# Altium PCB Einsy_Rambo.PcbDoc (part 3 of 4)
Units mil, origin at the board's own origin, x right, y up, seen from the top; angles counter-clockwise.
Board outline 5506.78 x 2795 mil, 6 copper layers (Top, GND, Signal Layer 1, Supply, Signal Layer 2, Bottom), stack 61.838 mil thick; 339 components, 226 nets, 1200 pads, 793 vias.
Unrouted connection lines stored in the file: 98.
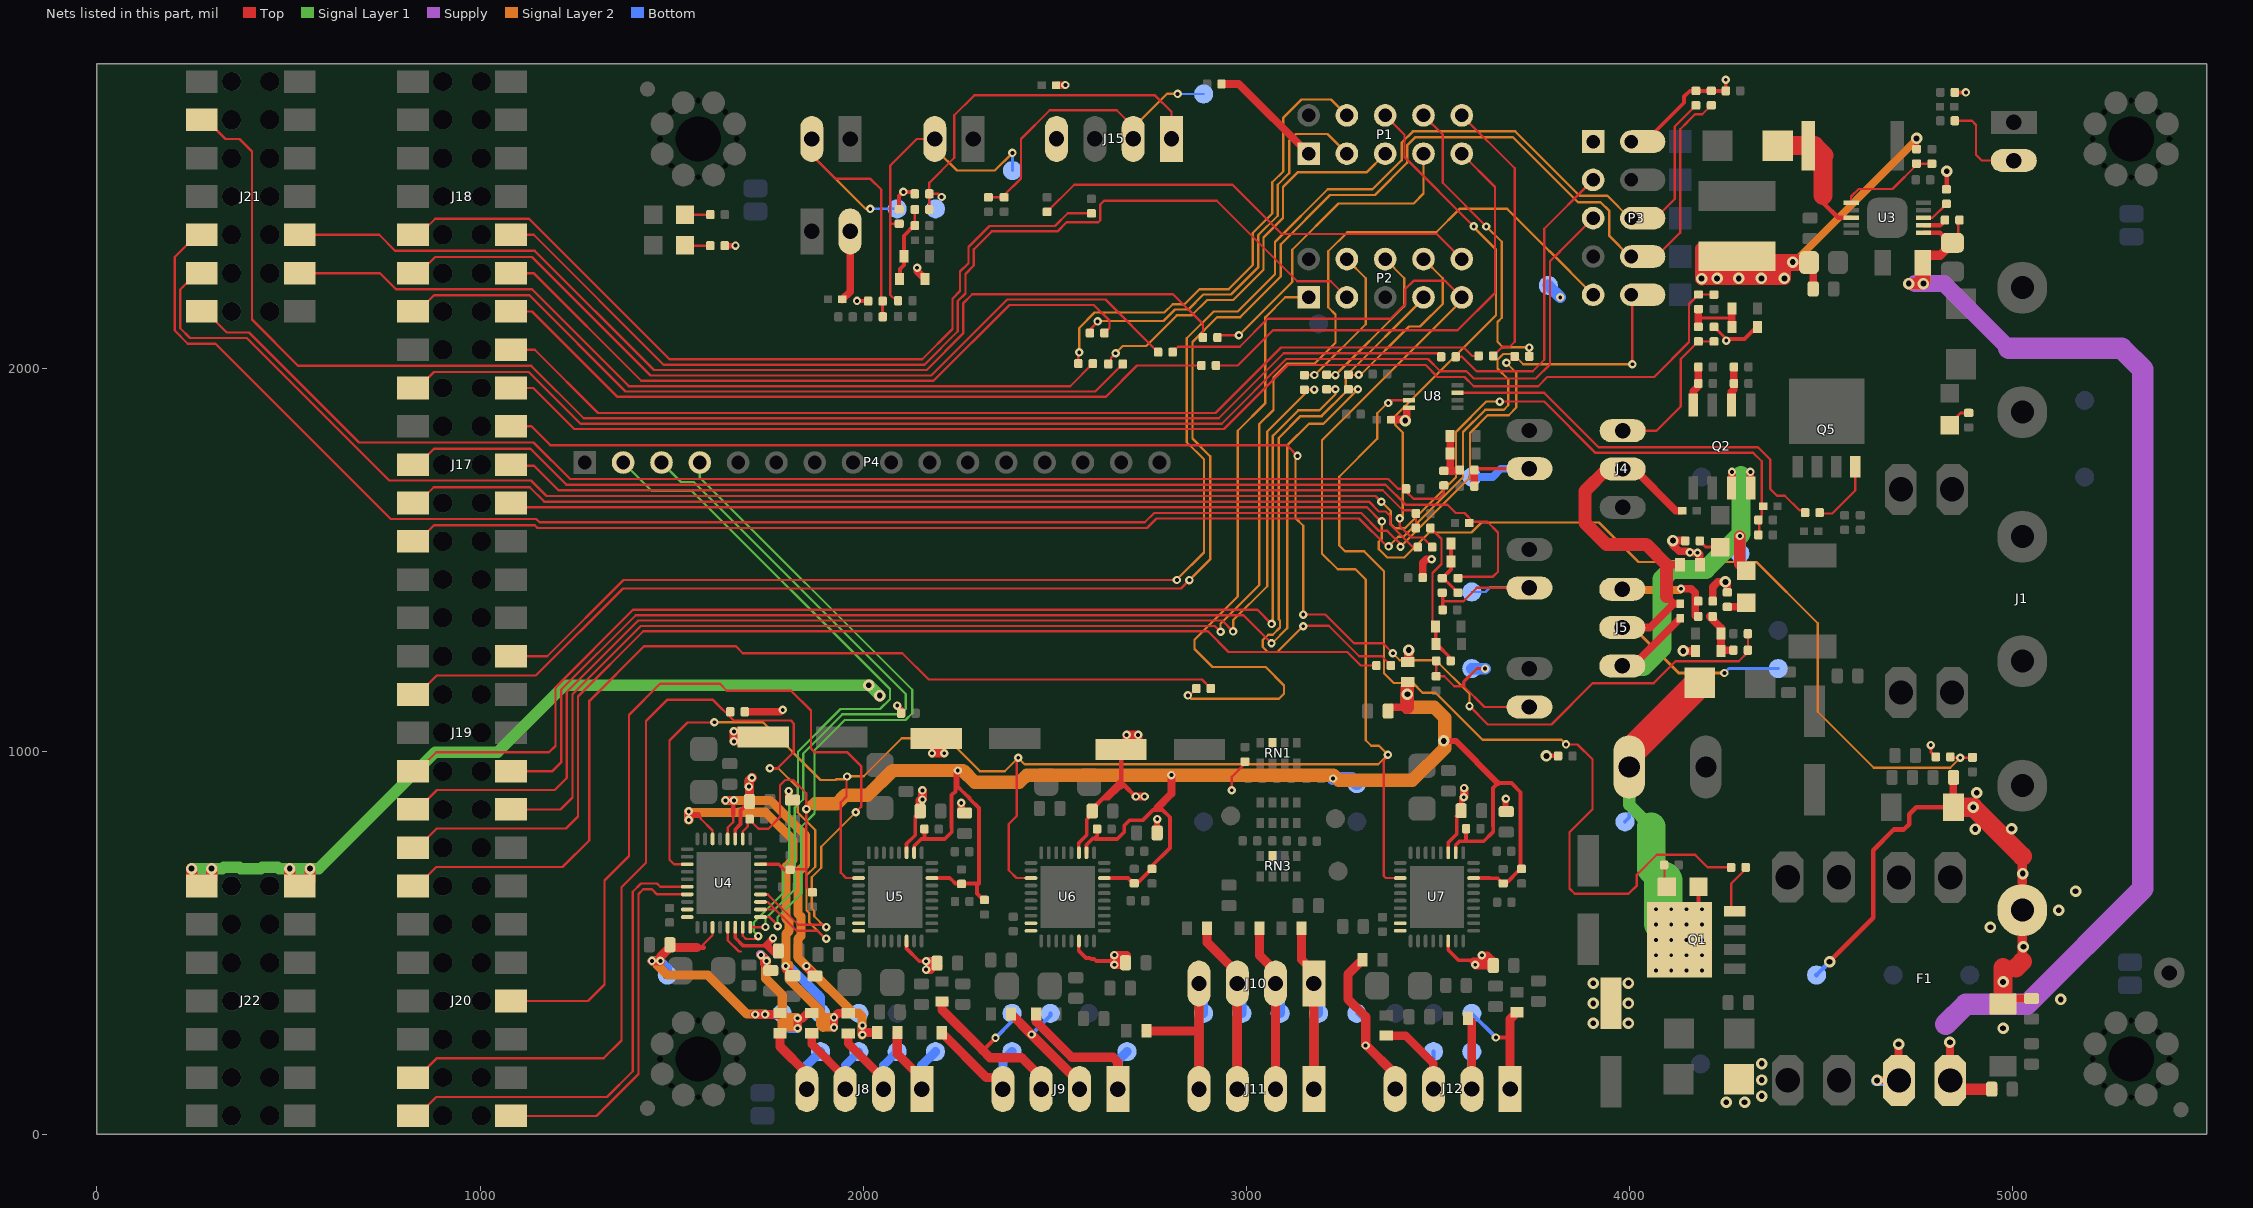
[diagram p7: the nets of this part, all layers, seen from the top]

## Via types
v1: diameter 22, hole 10, Top to Bottom, 296 vias
v2: diameter 22, hole 10, Top to Bottom, tented both sides, 255 vias
v3: diameter 30, hole 15, Top to Bottom, 204 vias
v4: diameter 30, hole 15, Top to Bottom, tented both sides, 30 vias
v5: diameter 32, hole 15, Top to Bottom, tented both sides, 4 vias
v6: diameter 29, hole 15, Top to Bottom, tented both sides, 4 vias

## Nets (pads, with @x,y where several pads share a name; then routed paths per layer and width w, separated by ;. In a path a pad name is that pad's centre, name@x,y a point inside that pad or via, vN(x,y) a via of type N, cw(c..) or ccw(c..) an arc to the next point about the centre after c; other vN are vias at no path point) (continued)
NetC124_1: C124.1 J5.1 LED5.C Q2.7 TP23.TP | length 1142.9
  Top w20: J5.1@3981.78,1223 4008.48,1223 C124.1@4133.03,1347.55 ; Q2.7@4266.78,1687.16 4268.03,1688.4 v2(4268.03,1729.25) ; v2(4316.03,1729.25) 4316.03,1687.91 Q2.7@4316.78,1687.16
  Top w30: v2(4288.78,1562) 4288.78,1488 LED5.C@4305.78,1471
  Signal Layer 1 w50: J5.1@3981.78,1221 4036.78,1221 4085.78,1270 4085.78,1450 4110.78,1475 4199.78,1475 4291.78,1567 4291.78,1719.28
  Bottom w30: TP23.TP@4288.78,1516 v2(4288.78,1562)
NetD1_A: D1.A D5.K R6.1 R32.2 | length 128.3
  Top w20: R6.1@3516.78,1731.9 3532.78,1731.9 ; D5.K@3532.31,1819 3532.31,1732.36 3532.78,1731.9 ; R32.2@3557.78,1732 3557.68,1731.9 3532.78,1731.9
NetD6_A: D6.A LED2.C Q1.MB TP17.TP X13.2 | length 1047.7
  Top w10: Q1.MB@4130.59,507.68 4180.78,557.87 LED2.C@4180.78,646
  Top w75: X13.2@3999.78,961 3999.78,995 D6.A@4183.78,1179
  Signal Layer 1 w32: X13.2@3999.78,959 3999.78,860.5 4057.03,803.25
  Signal Layer 1 w75: X13.2@3999.78,959 X13.2@3999.78,961 ; 4057.03,803.25 4057.03,693.75 4088.78,662
  Signal Layer 1 w100: 4088.78,551 4088.78,662
  Bottom w10: TP17.TP@3988.78,816 3999.78,827 X13.2@3999.78,959
  other v1: 4069.59,427.68 4109.59,427.68 4149.59,427.68 4189.59,427.68 4069.59,467.68 4109.59,467.68 4149.59,467.68 4189.59,467.68 4069.59,507.68 4109.59,507.68 4149.59,507.68 4189.59,507.68 4069.59,547.68 4109.59,547.68 4149.59,547.68 4189.59,547.68 4069.59,587.68 4109.59,587.68 4149.59,587.68 4189.59,587.68
NetD9_A: D9.A R13.2 U3.8 | length 342.8
  Top w11.5: 4507.9,2431.79 4507.9,2430.1 4545.42,2392.58 U3.8@4578.98,2392.58
  Top w12: 4507.9,2431.79 4507.9,2451
  Top w50: D9.A@4387.78,2581 R13.2@4467.64,2581 4482.64,2581 4507.9,2555.74 ; 4505.9,2451 4505.9,2555.74
NetD11_A: D11.A D12.K R37.1 R38.2 | length 160.7
  Top w8: R38.2@3514.88,1452 R37.1@3552.78,1414.1
  Top w10: R38.2@3511.31,1447.54 R38.2@3511.78,1448 ; R38.2@3514.88,1448 R38.2@3511.78,1448 ; D12.K@3534.31,1542 3534.31,1474.54 R38.2@3511.78,1452 R38.2@3511.78,1448
NetD13_A: D13.A D14.K R39.1 R41.2 | length 392.2
  Top w6: R39.1@3480.68,1583 R39.1@3483.46,1580.22 ; R39.1@3483.46,1583 R39.1@3483.46,1580.22 ; D14.K@3494.31,1326 3486.46,1333.86 3486.46,1465.68 3509.78,1489 3509.78,1553.9 R39.1@3483.46,1580.22
  Top w10: D14.K@3494.31,1326 3494.85,1325.47 D13.A@3494.85,1280 3496.78,1280 3533.78,1243 R41.2@3533.78,1236
NetD15_A: D15.A D35.K R33.1 R45.2 | length 181.6
  Top w8: 4180.28,2131.25 4266.03,2131.25
  Top w20: R33.1@4180.28,2107.9 4180.28,2131.25 4180.28,2154.01 R45.2@4180.78,2154.5 ; D15.A@4267.57,2107.25 D35.K@4267.57,2156.25
NetD33_A: D33.A D34.K R30.1 R44.2 | length 135.6
  Top w20: R30.1@4209.68,1352 4239.24,1322.43 D34.K@4239.24,1308 D33.A@4239.24,1262 4241.24,1264 R44.2@4271.78,1264
NetD36_A: D36.A D37.K R63.1 R64.2 | length 198.9
  Top w6: R63.1@2135.03,2372.35 R64.2@2135.03,2414.25
  Top w10: D36.A@2094.57,2233.25 2096.03,2234.72 2096.03,2259.25 2106.57,2269.79 2106.57,2345.79 2133.13,2372.35 R63.1@2135.03,2372.35
NetFB6_2: FB6.2 J8.2 TP39.TP | length 296.3
  Top w22: FB6.2@1961.03,263.89 1961.03,237.25 2053.03,145.25 J8.2@2053.03,118.25
  Bottom w22: J8.2@2053.03,118.25 2053.03,180.25 TP39.TP@2088.78,216
NetFB7_2: FB7.2 J8.3 TP56.TP | length 294.4
  Top w22: FB7.2@1866.03,264.07 1866.03,235.25 1953.03,148.25 J8.3@1953.03,118.25
  Bottom w22: J8.3@1953.03,118.25 1953.03,180.25 TP56.TP@1988.78,216
NetFB8_2: FB8.2 J8.4 TP49.TP | length 287.4
  Top w24: FB8.2@1783.03,264.07 1783.03,229.25 1853.03,159.25 J8.4@1853.03,118.25
  Bottom w24: J8.4@1853.03,118.25 1853.03,180.25 TP49.TP@1888.78,216
NetFB9_2: FB9.2 J9.1 TP57.TP | length 454.9
  Top w24: FB9.2@2451.85,314.25 2451.85,293.93 2544.53,201.25 2652.03,201.25 2664.84,188.44 J9.1@2664.84,118.25
  Bottom w24: J9.1@2664.84,118.25 2664.84,192.06 TP57.TP@2688.78,216
NetFB10_2: FB10.2 J9.2 TP50.TP | length 345.5
  Top w24: FB10.2@2386.21,314.25 v2(2439.64,260.83) 2564.84,135.62 J9.2@2564.84,118.25
  Bottom w10: v2(2439.64,260.83) 2488.78,309.97 TP50.TP@2488.78,316
NetFB11_2: FB11.2 J9.3 TP4.TP | length 519.9
  Top w10: 2311.9,219.38 2312.89,219.38 v2(2345.47,251.97)
  Top w24: FB11.2@2212.21,347.07 FB11.2@2206.03,347.07 2206.03,325.25 2311.9,219.38 2331.03,200.25 2414.03,200.25 2464.84,149.44 J9.3@2464.84,118.25
  Bottom w10: v2(2345.47,251.97) 2388.78,295.28 TP4.TP@2388.78,316
NetFB12_2: FB12.2 J9.4 TP58.TP | length 345.3
  Top w24: FB12.2@2205.21,265.25 2322.21,148.25 2364.03,148.25 2364.84,147.44 J9.4@2364.84,118.25
  Bottom w24: J9.4@2364.84,118.25 2364.84,192.06 TP58.TP@2388.78,216
NetFB13_2: FB13.2 J10.1 J11.1 TP5.TP | length 762.6
  Top w24: FB13.2@3143.96,538 3143.96,456.82 J10.1@3176.57,424.21 ; J11.1@3176.57,157.73 J10.1@3176.57,424.21 ; J10.1@3176.57,433.32 J10.1@3176.57,424.21
  Signal Layer 2 w6: J10.1@3175.78,432.53 J10.1@3176.57,433.32
  Signal Layer 2 w24: J11.1@3176.57,157.73 3176.78,157.94 3176.78,274 3176.57,274.21 J10.1@3176.57,433.32
  Bottom w24: J10.1@3176.65,393.84 3188.78,381.72 TP5.TP@3188.78,316
NetFB14_2: FB14.2 J10.2 J11.2 TP7.TP | length 764.2
  Top w24: FB14.2@3034.96,538 3034.96,466.82 J10.2@3076.57,425.21 ; J11.2@3076.57,157.73 J10.2@3076.57,425.21 ; J10.2@3076.57,433.32 J10.2@3076.57,425.21
  Signal Layer 2 w24: J11.2@3076.57,157.73 3076.78,157.94 3076.78,275 3076.57,275.21 J10.2@3076.57,433.32
  Bottom w24: J10.2@3076.65,393.84 3088.78,381.72 TP7.TP@3088.78,316
NetFB15_2: FB15.2 J10.3 J11.3 TP6.TP | length 771.3
  Top w24: FB15.2@2897.96,538 2897.96,500.82 2976.57,422.21 J11.3@2976.57,157.73
  Signal Layer 2 w24: J11.3@2976.57,157.73 J10.3@2976.57,433.32
  Bottom w24: J10.3@2976.65,393.84 2988.78,381.72 TP6.TP@2988.78,316
NetFB16_2: FB16.2 J10.4 J11.4 TP51.TP | length 771.9
  Top w24: FB16.2@2739.21,270.25 2875.32,270.25 2876.57,269 ; J11.4@2876.57,157.73 2876.57,269 ; J10.4@2876.57,433.32 2876.57,269
  Signal Layer 2 w24: J11.4@2876.57,157.73 J10.4@2876.57,433.32
  Bottom w24: J10.4@2876.65,393.84 2888.78,381.72 TP51.TP@2888.78,316
NetFB17_2: FB17.2 J12.1 TP9.TP | length 294
  Top w10: v2(3651.83,252.95) 3687.99,252.95
  Top w24: J12.1@3688.39,157.73 3688.39,300.43 FB17.2@3706.78,318.82
  Bottom w10: TP9.TP@3588.78,316 v2(3651.83,252.95)
NetFB18_2: FB18.2 J12.2 TP59.TP | length 285.8
  Top w22: FB18.2@3578.96,303 3588.39,293.58 J12.2@3588.39,118.65
  Signal Layer 2 w10: J12.2@3588.78,118.73 J12.2@3588.86,118.65
  Bottom w22: TP59.TP@3588.78,216 3588.78,118.72 J12.2@3588.86,118.65
NetFB19_2: FB19.2 J12.3 TP60.TP | length 277.5
  Top w22: FB19.2@3365.78,257.82 3415.96,257.82 3488.78,185 J12.3@3488.78,158.13
  Signal Layer 2 w10: J12.3@3488.78,118.73 J12.3@3488.86,118.65
  Bottom w10: TP60.TP@3488.78,216 3488.78,118.72 J12.3@3488.86,118.65
NetFB20_2: FB20.2 J12.4 TP52.TP | length 459
  Top w24: FB20.2@3303.6,456 3265.78,418.18 3265.78,353.23 3312.01,307 3312.01,278.31 3311.78,278.08 3311.78,234.34 3388.39,157.73 J12.4@3388.78,158.13
  Bottom w8: TP52.TP@3288.78,316 3311.78,293 v2(3311.78,232)
NetFB22_2: FB22.2 J8.1 TP41.TP | length 287
  Top w24: FB22.2@2089.21,266.25 2089.21,210.07 2153.03,146.25 J8.1@2153.03,118.25
  Bottom w24: J8.1@2153.03,118.25 2153.03,180.25 TP41.TP@2188.78,216
NetJ2_2: J2.2 R31.1 R32.1 TP20.TP | length 346.8
  Top w10: 3595.68,1713 3599.02,1709.65 ; R32.1@3599.02,1737.65 J2.2@3739.17,1737.65
  Top w20: R31.1@3595.68,1692 3595.68,1713 R32.1@3595.68,1734
  Signal Layer 2 w10: J2.2@3738.77,1737.25 J2.2@3739.17,1737.65
  Bottom w20: TP20.TP@3588.78,1716 3643.16,1716 3664.82,1737.65 J2.2@3739.17,1737.65
NetJ3_2: J3.2 R36.1 R38.1 TP21.TP | length 440.3
  Top w6: 3512.88,1392 3567.01,1392 3601.64,1426.63 J3.2@3739.17,1426.63 J3.2@3736.81,1428.99
  Top w10: R38.1@3511.78,1410.1 3512.88,1409 3512.88,1392 R36.1@3512.88,1369
  Bottom w6: TP21.TP@3588.78,1416 3624.66,1416 3635.29,1426.63 J3.2@3739.17,1426.63
NetJ4_3: J4.3 R29.1 R33.2 | length 407.7
  Top w6: J4.3@3982.78,1837 4070.78,1837 4134.03,1900.25 4134.03,2024.25 4179.78,2070 R33.2@4180.28,2070 R29.1@4221.28,2070
NetJ5_3: J5.3 R28.1 R30.2 | length 262.5
  Top w20: v2(4135.03,1424.25) 4161.03,1424.25 4171.88,1413.4 4171.88,1354.1 R30.2@4171.78,1354
  Signal Layer 2 w20: J5.3@3981.78,1421 4131.78,1421 v2(4135.03,1424.25)
  Signal Layer 2 w30: J5.3@3981.78,1421 J5.3@3986.78,1416
NetJ6_2: J6.2 R5.1 R41.1 TP15.TP | length 463.5
  Top w6: R41.1@3495.88,1236 3495.78,1235.9 R5.1@3495.78,1195.9 3517.11,1195.9 3543.01,1170 3567.78,1170 3622.17,1115.61 J6.2@3739.17,1115.61
  Top w8: 3567.78,1170 3567.78,1181.21 3602.56,1216 v2(3623.57,1216)
  Signal Layer 2 w6: J6.2@3708.68,1115.61 J6.2@3739.17,1115.61
  Bottom w30: TP15.TP@3588.78,1216 v2(3623.57,1216)
NetJ13_2: J13.2 R70.2 R74.2 TP38.TP | length 918.2
  Top w6: J13.2@1855.03,2598.25 1855.03,2567.75 1928.53,2494.25 2019.03,2494.25 2047.03,2466.25 R70.2@2047.03,2180.75
  Top w8: R74.2@2051.03,2134.25 R70.2@2051.03,2175.25
  Signal Layer 2 w6: J13.2@1855.03,2598.25 1855.03,2567.75 2006.78,2416 v1(2018.78,2416)
  Bottom w6: v1(2018.78,2416) TP38.TP@2088.78,2416
NetJ14_2: J14.2 R71.2 R75.2 TP40.TP | length 845.5
  Top w6: R75.2@2085.03,2177.25 2071.03,2191.25 2071.03,2376.25 ; R71.2@2094.03,2377.25 2072.03,2377.25 2071.03,2376.25 ; J14.2@2193.03,2598.25 2140.03,2598.25 2071.03,2529.25 2071.03,2376.25
  Signal Layer 2 w6: J14.2@2193.03,2598.25 2193.03,2567.75 2244.78,2516 2343.78,2516 v1(2389.78,2562)
  Bottom w8: TP40.TP@2389.78,2516 v1(2389.78,2562)
NetJ15_1: J15.1 R64.1 R65.1 TP54.TP | length 985.1
  Top w6: R64.1@2172.93,2414.25 R65.1@2172.93,2455.25 ; v1(2204.78,2447) 2196.53,2455.25 R65.1@2172.93,2455.25 ; J15.1@2804.98,2598.68 2804.98,2669.3 2762.03,2712.25 2290.03,2712.25 2238.03,2660.25 2238.03,2549.25 2172.93,2484.15 R65.1@2172.93,2455.25
NetJ15_2: J15.2 R76.2 RV7.2 TP48.TP | length 834.6
  Top w6: R76.2@2327.03,2446.25 RV7.2@2368.03,2446.25 2368.03,2451.25 2412.03,2495.25 2412.03,2598.25 2487.03,2673.25 2662.03,2673.25 2704.98,2630.3 J15.2@2704.98,2598.68
  Signal Layer 2 w6: J15.2@2704.98,2598.68 2704.98,2628.21 2793.03,2716.25 v1(2821.03,2716.25)
  Bottom w6: v1(2821.03,2716.25) 2821.28,2716 TP48.TP@2888.78,2716
NetJ16_2: J16.2 R69.1 | length 240
  Top w6: R69.1@4841.68,2646 R69.1@4849.68,2646 4894.28,2646 4905.03,2635.25 4905.03,2557.25 4920.03,2542.25 J16.2@4993.03,2542.25
NetJ18_4: J18.4 RV18.1 | length 2229.4
  Top w6: J18.4@825,2248.28 840.55,2248.28 882.87,2290.61 1135.83,2290.61 1445.18,1981.25 2178.03,1981.25 2376.03,2179.25 2632.63,2179.25 RV18.1@2769.88,2042
NetJ18_6: J18.6 RV8.1 | length 2199
  Top w6: J18.6@825,2348.28 841.14,2348.28 882.87,2390.02 1127.95,2390.02 1494.72,2023.25 2154.23,2023.25 2233.03,2102.06 2233.03,2181.25 2253.03,2201.25 2253.03,2252.25 2275.03,2274.25 2275.03,2316.25 2330.03,2371.25 2501.03,2371.25 2534.13,2404.35 RV8.1@2596.03,2404.35
NetLED1_A: LED1.A R73.1 | length 66
  Top w6: LED1.A@1535.12,2401 R73.1@1601.13,2401
NetLED2_A: LED2.A R40.2 | length 58.3
  Top w6: R40.2@4091.78,702 4091.78,651.66 LED2.A@4097.44,646
NetLED3_A: LED3.A R16.2 | length 59.8
  Top w8: R16.2@4184.03,1549.25 4200.37,1532.91 LED3.A@4237.03,1532.91
NetLED5_A: LED5.A R9.2 | length 54.4
  Top w20: R9.2@4255.78,1377 4295.12,1377 LED5.A@4305.78,1387.66
NetLED6_A: LED6.A R58.2 | length 61.7
  Top w8: LED6.A@4836.03,1854.91 4864.37,1883.25 R58.2@4886.03,1883.25
NetLED7_A: LED7.A R35.1 | length 66.2
  Top w6: LED7.A@1535.12,2321 1536.12,2320 R35.1@1600.88,2320
NetP1_3: P1.3 RV16.1 | length 1058.7
  Top w6: RV16.1@2591.88,2092 2591.88,2101.1 v2@2613.03,2122.25
  Signal Layer 2 w6: v2@2613.03,2122.25 2614.03,2123.25 2784.03,2123.25 2814.03,2153.25 2849.03,2153.25 2888.03,2192.25 2960.03,2192.25 3031.03,2263.25 3031.03,2347.25 3082.03,2398.25 3082.03,2479.25 3112.03,2509.25 3112.03,2593.25 3130.03,2611.25 3212.03,2611.25 3262.78,2560.5 P1.3@3262.78,2560
  other v2: 2612.03,2122.25
NetP1_4: P1.4 RV15.2 | length 1235.9
  Top w6: RV15.2@2561.78,2012 2561.78,2039 v2(2564.03,2041.25)
  Signal Layer 2 w6: v2(2564.03,2041.25) 2564.03,2105.25 2604.03,2145.25 2786.03,2145.25 2808.03,2167.25 2839.03,2167.25 2878.03,2206.25 2954.03,2206.25 3017.03,2269.25 3017.03,2353.25 3068.03,2404.25 3068.03,2485.25 3097.03,2514.25 3097.03,2654.25 3144.48,2701.7 3221.08,2701.7 P1.4@3262.78,2660
NetP1_5: P1.5 RV14.1 | length 1042.5
  Top w6: RV14.1@2646.78,2017.9 2646.78,2027 v2(2659.03,2039.25)
  Signal Layer 2 w6: v2(2659.03,2039.25) 2677.78,2058 2738.78,2058 2819.03,2138.25 2858.03,2138.25 2898.03,2178.25 2966.03,2178.25 3045.03,2257.25 3045.03,2341.25 3096.03,2392.25 3096.03,2473.25 3134.03,2511.25 3314.03,2511.25 P1.5@3362.78,2560
NetP1_6: P1.6 RV9.2 | length 1420.8
  Top w6: P1.6@3362.78,2660 3413.03,2609.75 3413.03,2551.25 v1(3594.03,2370.25) ; v1(3400.78,1608) 3400.78,1588.5 3431.28,1558 3460.78,1558 RV9.2@3485.78,1533
  Signal Layer 2 w6: v1(3400.78,1608) 3408.78,1616 3408.78,1832 3388.78,1852 3388.78,1875 3652.03,2138.25 3652.03,2310.25 v1@3592.03,2370.25
NetP1_7: P1.7 RV12.1 | length 852.1
  Top w6: RV12.1@2919.03,2086.25 v2(2981.03,2086.25) v2@2981.03,2088.25
  Signal Layer 2 w6: v2(2981.03,2086.25) 3120.03,2225.25 3120.03,2309.25 3241.03,2430.25 3437.03,2430.25 3462.78,2456 P1.7@3462.78,2560
NetP1_8: P1.8 RV6.2 | length 792.3
  Top w6: P1.8@3462.78,2660 3512.78,2610 3512.78,2484 v1(3626.78,2370) ; RV6.2@3738.78,2031 v1(3738.78,2054)
  Signal Layer 2 w6: v1(3626.78,2370) 3666.78,2330 3666.78,2132 3655.78,2121 3655.78,2069 3669.78,2055 3737.78,2055 v1(3738.78,2054)
NetP1_9: P1.9 RV10.1 | length 1206.1
  Top w6: RV10.1@2920.93,2007.25 2978.03,2007.25 3069.78,2099 3551.78,2099 3649.37,2196.59 3649.37,2473.41 P1.9@3562.78,2560
NetP1_10: P1.10 RV19.2 | length 719.7
  Top w6: P1.10@3562.78,2660 3701.03,2521.75 3701.03,2069.25 3687.78,2056 3668.78,2056 RV19.2@3644.78,2032
NetP2_1: P2.1 RV25.1 | length 1661.9
  Top w6: v2(2847.78,1146) 2851.58,1146 RV25.1@2869.58,1164
  Signal Layer 2 w6: v2(2847.78,1146) 2856.78,1137 3085.78,1137 3098.78,1150 3098.78,1172 3050.78,1220 2911.78,1220 2864.78,1267 2864.78,1291 2977.78,1404 2977.78,1837 3050.03,1909.25 3050.03,2133.25 3101.78,2185 P2.1@3162.78,2185
NetP2_4: P2.4 RV22.2 | length 405.5
  Top w6: RV22.2@3151.78,1981.7 3152.33,1982.25 v2(3178.03,1982.25) v2@3179.03,1982.25
  Signal Layer 2 w6: v2@3179.03,1982.25 3311.78,2115 3311.78,2234.79 3262.78,2283.79 P2.4@3262.78,2285
NetP2_6: P2.6 RV21.2 | length 450.3
  Top w6: RV21.2@3209.78,1982.7 3210.23,1982.25 v2@3236.03,1982.25 ; v2@3230.08,1979 v2@3231.08,1980
  Signal Layer 2 w6: v2(3232.78,1982) 3412.48,2161.7 3412.78,2161.7 3412.78,2235 P2.6@3362.78,2285 ; P2.6@3338.39,2294.54 P2.6@3355.35,2277.58
NetP2_7: P2.7 RV4.1 | length 1539.1
  Top w6: v2@3149.03,1328 3215.28,1328 3295.28,1248 3353.68,1248 RV4.1@3377.68,1224
  Signal Layer 2 w6: v2@3149.03,1327.25 3081.28,1259.5 3056.28,1259.5 3043.28,1272.5 3043.28,1290.5 3057.28,1304.5 3069.28,1304.5 3088.03,1323.25 3088.03,1341.25 3084.78,1344.5 3084.78,1818 3141.78,1875 3196.78,1875 3259.78,1938 3259.78,1979 3462.78,2182 P2.7@3462.78,2185
  other v2: 3149.03,1326.25
NetP2_8: P2.8 RV20.2 | length 460.5
  Top w6: RV20.2@3266.78,1982.7 3267.23,1982.25 v2@3298.78,1982.25
  Signal Layer 2 w6: v2@3298.78,1983 3424.78,2109 3453.78,2109 3512.78,2168 3512.78,2235 P2.8@3462.78,2285
  other v2: 3293.78,1983
NetP2_10: P2.10 RV17.2 | length 1192.6
  Top w6: RV17.2@2480.03,2408.25 2551.03,2479.25 2964.03,2479.25 3093.03,2350.25 3497.53,2350.25 P2.10@3562.78,2285
NetP3_3: P3.3 R67.2 | length 779.9
  Top w6: R67.2@3546.78,2030 3563.28,2030 3601.03,1992.25 3748.03,1992.25 3777.78,2022 3777.78,2364.02 3901.46,2487.71 P3.3@3901.46,2491.71
NetQ1_4: Q1.4 R42.2 | length 133.8
  Top w6: Q1.4@4274.98,582.68 4265.88,591.78 4265.88,655 4303.78,692.9 R42.2@4303.78,697
NetQ2_2: Q2.2 R21.2 R49.1 | length 101.4
  Top w20: Q2.2@4266.78,1904.42 4266.78,1938 4273.03,1944.25 R21.2@4273.03,2003.25
NetQ2_4: Q2.4 R48.2 R50.1 | length 104.3
  Top w20: Q2.4@4166.78,1904.42 4166.78,1940 4180.03,1953.25 R48.2@4180.03,2003.25
NetQ5_4: Q5.4 R56.2 | length 180.8
  Top w6: R56.2@4496.78,1621 4529.78,1621 4589.91,1681.13 Q5.4@4589.91,1743.38 Q5.4@4589.55,1743.02
NetR3_1: R3.1 U3.2 | length 56.9
  Top w11.5: U3.2@4767.95,2372.89 4812.05,2372.89 R3.1@4821.1,2381.95
NetR11_1: R11.1 U3.3 | length 75
  Top w6: U3.3@4767.95,2392.58 4791.35,2392.58 4827.78,2429 R11.1@4827.78,2429.1
NetR23_1: R23.1 R24.2 U3.6 | length 262.6
  Top w6: U3.6@4578.98,2431.95 4578.98,2448.2 4598.78,2468 4686.78,2468 4752.78,2534 R24.2@4789.78,2534
NetR42_1: R42.1 U8.7 | length 2394
  Top w6: v2@3370.78,1911.25 3375.94,1916.41 U8.7@3425.04,1916.41 ; v1(3834.78,1018) 3864.78,1018 3903.78,979 3903.78,849 3843.78,789 3843.78,642 3857.78,628 3997.78,628 4019.78,650 4019.78,678 4071.78,730 4171.78,730 4204.78,697 R42.1@4265.88,697
  Signal Layer 2 w6: v2@3370.78,1911.25 3342.03,1882.5 3342.03,1816.25 3242.78,1717 3242.78,1537 3257.78,1522 3307.78,1522 3359.78,1470 3359.78,1203.5 3385.03,1178.25 3435.03,1178.25 3460.28,1153 3493.78,1153 3616.78,1030 3822.78,1030 v1(3834.78,1018)
  other v2: 3370.78,1909.25
NetR56_1: R56.1 U8.3 | length 1083.5
  Top w6: U8.3@3551.02,1936.1 3777.68,1936.1 3919.78,1794 4335.78,1794 4367.78,1762 4367.78,1685 4385.53,1667.25 4406.03,1667.25 4444.03,1629.25 4450.63,1629.25 R56.1@4458.88,1621
NetRN1_3: RN1.3
NetRN3_3: RN3.3
NetU4_9: U4.9
NetU4_10: U4.10
NetU5_9: U5.9
NetU5_10: U5.10
NetU6_9: U6.9
NetU6_10: U6.10
NetU7_9: U7.9
NetU7_10: U7.10
nRESET: J18.5 P2.3 | length 2728.8
  Top w6: J18.5@1080.91,2348.28 1140.16,2348.28 1479.19,2009.25 2160.03,2009.25 2247.03,2096.26 2247.03,2175.25 2267.03,2195.25 2267.03,2246.25 2289.03,2268.25 2289.03,2310.25 2336.03,2357.25 2507.03,2357.25 2531.03,2381.25 2614.03,2381.25 2619.03,2386.25 2619.03,2427.25 2629.03,2437.25 2923.03,2437.25 3133.28,2227 3220.78,2227 P2.3@3262.78,2185
PC5: J20.14 RV25.2 | length 2600.7
  Top w6: J20.14@824.8,648.28 836.02,648.28 885.83,698.09 1215.55,698.09 1285.43,767.97 1285.43,1131.65 1428.03,1274.25 1668.03,1274.25 1686.03,1256.25 2102.03,1256.25 2171.03,1187.25 2884.23,1187.25 RV25.2@2907.48,1164
PD5: J21.5 RV12.2 | length 2699.4
  Top w6: J21.5@529.33,2348.28 736.61,2348.28 778.54,2306.36 1142.72,2306.36 1453.82,1995.25 2165.82,1995.25 2261.03,2090.46 2261.03,2169.25 2285.03,2193.25 2809.03,2193.25 2887.03,2115.25 RV12.2@2887.03,2080.25
PF5: J17.6 RV9.1 | length 2739.6
  Top w6: J17.6@816.93,1627.22 878.94,1689.23 1129.92,1689.23 1167.32,1651.83 3320.46,1651.83 3346.03,1626.25 3364.03,1626.25 3376.05,1614.23 3376.05,1592.25 3433.52,1534.79 RV9.1@3453.99,1534.79
PF6: J17.5 R60.1 RT1.2 | length 4413.1
  Top w6: J17.5@1080.91,1648.28 1092.13,1637.06 3315.22,1637.06 3352.03,1600.25 v2(3354.03,1600.25) v2@3348.83,1595.06 ; R60.1@4836.03,984.25 4837.03,983.25 v2(4864.03,983.25) 4895.03,983.25 RT1.2@4896.03,984.25
  Signal Layer 2 w6: v2(3354.03,1600.25) 3354.03,1555.25 3346.03,1547.25 3346.03,1527.84 3368.03,1505.84 3412.62,1505.84 3478.03,1571.25 3588.03,1571.25 3614.03,1597.25 3921.03,1597.25 4024.03,1494.25 4332.03,1494.25 4492.03,1334.25 4492.03,1103.25 4638.03,957.25 4838.03,957.25 v2(4864.03,983.25)
PF7: J21.6 RV6.1 | length 4421.1
  Top w6: J21.6@273.42,2348.28 260.68,2348.28 202.76,2290.36 202.76,2098.43 237.2,2063.98 309.31,2063.98 766.73,1606.55 1146.65,1606.55 1155.51,1597.69 2735.24,1597.69 2759.84,1622.3 3299.98,1622.3 3346.91,1575.37 3368.41,1575.37 3402.78,1541 v1@3402.78,1535 ; v2(3679.03,2014.25) 3684.13,2014.25 RV6.1@3700.88,2031
  Signal Layer 2 w6: v1(3402.78,1534) 3584.03,1715.25 3584.03,1831.25 3630.03,1877.25 3685.03,1877.25 3705.03,1897.25 3705.03,1988.25 v2(3679.03,2014.25)